# KiCad board Riptide.kicad_pcb
title: RipTide Keyboard; date: 2025-07-01; company: Logan Peterson
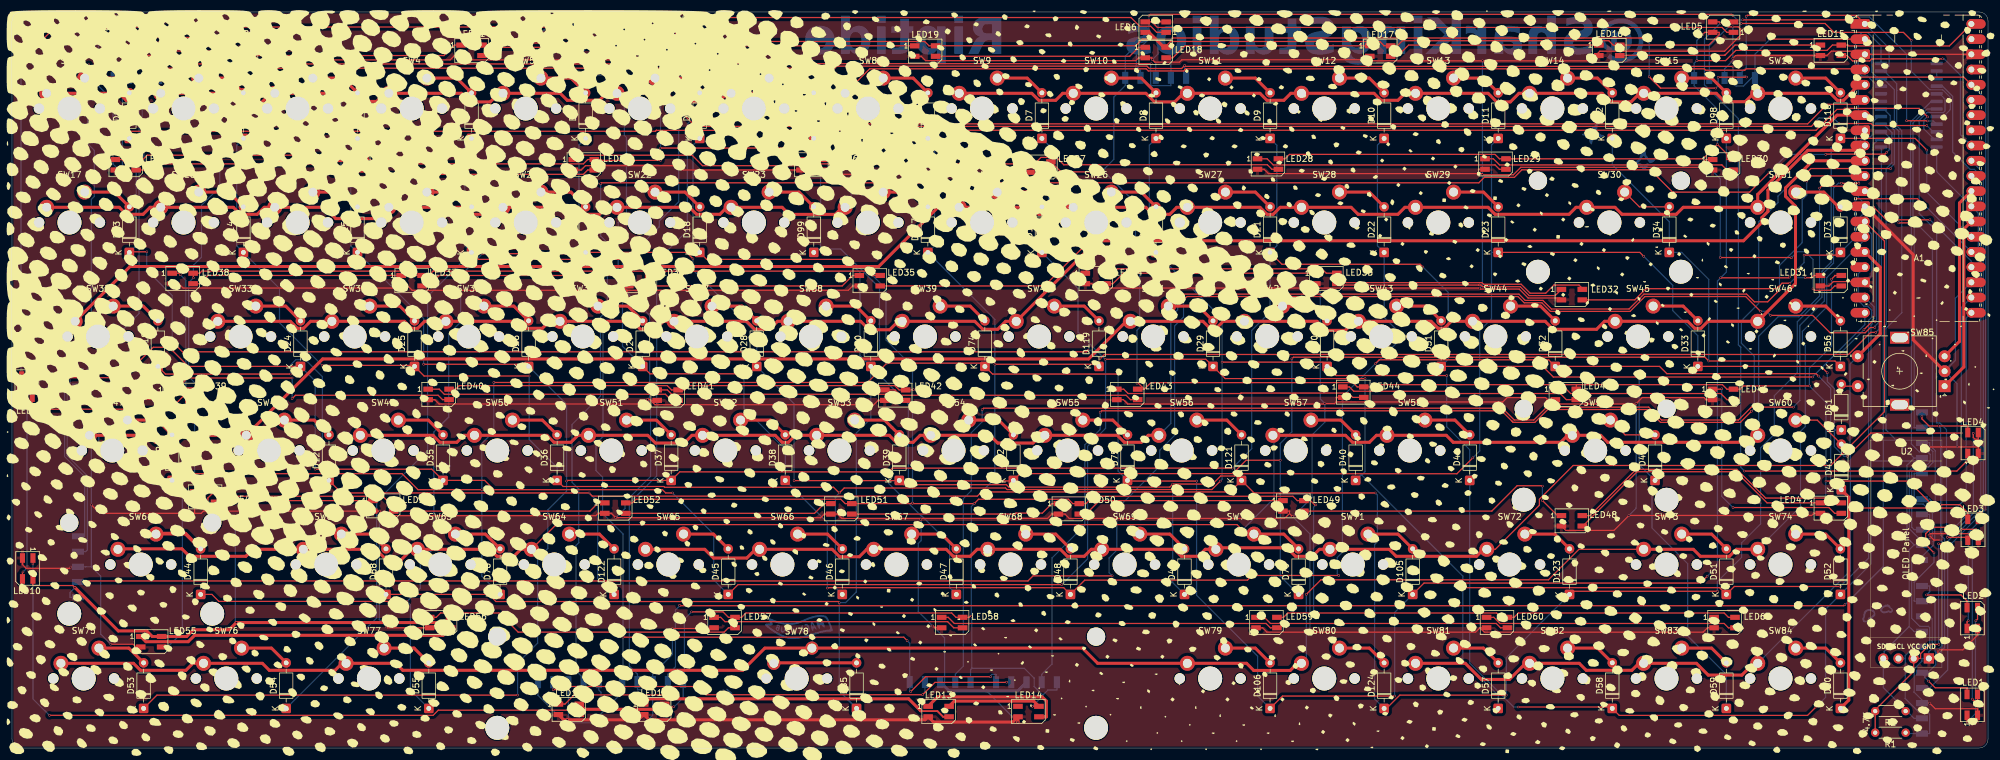
[diagram p0: board, top side]
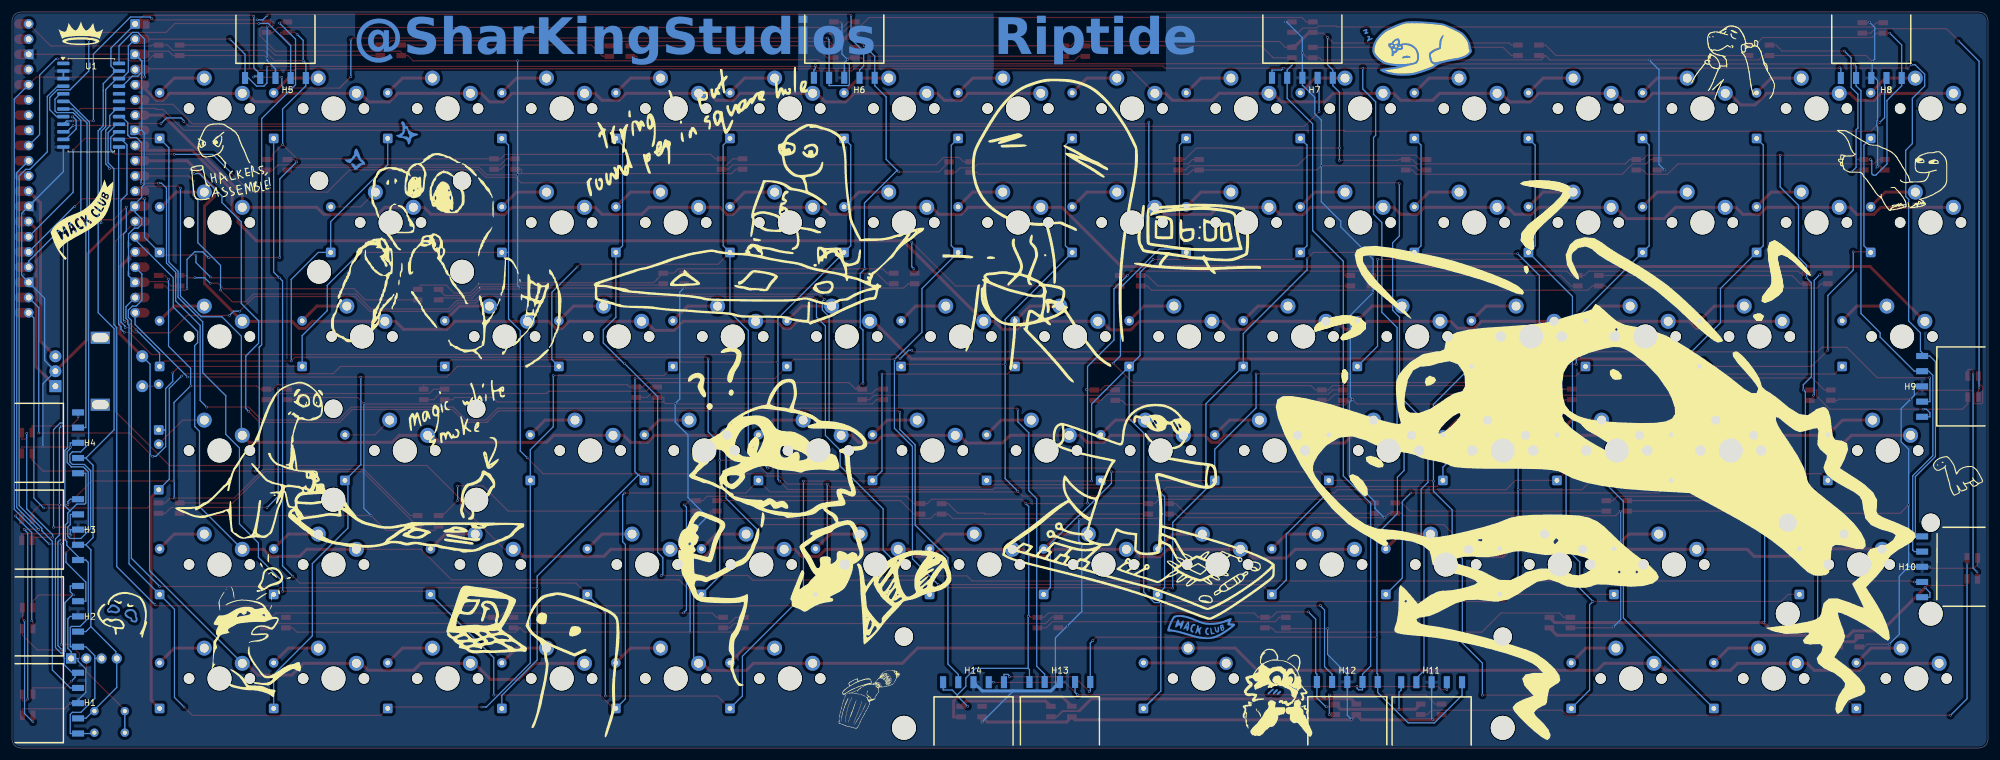
[diagram p1: board, bottom side, seen from below]

Outline 330 x 123 mm; copper layers: Top, Bottom. Coordinates in mm from the lower left corner of the outline.
Outline path: 0,121.5 0,1.5 arc(0.44,0.44) 1.5,0 328.5,0 arc(329.56,0.44) 330,1.5 330,121.5 arc(329.56,122.56) 328.5,123 1.5,123 arc(0.44,122.56) 0,121.5

## Placement (name value [footprint] x y rotation side)
A1  RaspberryPi_Pico  [RaspberryPi_Pico_Common_Unspecified]  318.32 96.87 0 top
D1  D  [D_DO-35_SOD27_P7.62mm_Horizontal]  19.6 101.87 90 top
D2  D  [D_DO-35_SOD27_P7.62mm_Horizontal]  38.65 101.87 90 top
D3  D  [D_DO-35_SOD27_P7.62mm_Horizontal]  57.7 101.87 90 top
D4  D  [D_DO-35_SOD27_P7.62mm_Horizontal]  76.75 101.87 90 top
D5  D  [D_DO-35_SOD27_P7.62mm_Horizontal]  95.8 101.87 90 top
D6  D  [D_DO-35_SOD27_P7.62mm_Horizontal]  114.85 101.87 90 top
D7  D  [D_DO-35_SOD27_P7.62mm_Horizontal]  172 101.87 90 top
D8  D  [D_DO-35_SOD27_P7.62mm_Horizontal]  191.05 101.87 90 top
D9  D  [D_DO-35_SOD27_P7.62mm_Horizontal]  210.1 101.87 90 top
D10  D  [D_DO-35_SOD27_P7.62mm_Horizontal]  229.15 101.87 90 top
D11  D  [D_DO-35_SOD27_P7.62mm_Horizontal]  248.2 101.87 90 top
D12  D  [D_DO-35_SOD27_P7.62mm_Horizontal]  267.25 101.87 90 top
D13  D  [D_DO-35_SOD27_P7.62mm_Horizontal]  19.6 82.82 90 top
D14  D  [D_DO-35_SOD27_P7.62mm_Horizontal]  38.65 82.82 90 top
D15  D  [D_DO-35_SOD27_P7.62mm_Horizontal]  57.7 82.82 90 top
D16  D  [D_DO-35_SOD27_P7.62mm_Horizontal]  76.75 82.82 90 top
D17  D  [D_DO-35_SOD27_P7.62mm_Horizontal]  95.8 82.82 90 top
D18  D  [D_DO-35_SOD27_P7.62mm_Horizontal]  114.85 82.82 90 top
D19  D  [D_DO-35_SOD27_P7.62mm_Horizontal]  172 82.82 90 top
D20  D  [D_DO-35_SOD27_P7.62mm_Horizontal]  191.05 82.82 90 top
D21  D  [D_DO-35_SOD27_P7.62mm_Horizontal]  210.1 82.82 90 top
D22  D  [D_DO-35_SOD27_P7.62mm_Horizontal]  229.15 82.82 90 top
D23  D  [D_DO-35_SOD27_P7.62mm_Horizontal]  248.2 82.82 90 top
D24  D  [D_DO-35_SOD27_P7.62mm_Horizontal]  48.17 63.77 90 top
D25  D  [D_DO-35_SOD27_P7.62mm_Horizontal]  67.22 63.77 90 top
D26  D  [D_DO-35_SOD27_P7.62mm_Horizontal]  86.28 63.77 90 top
D27  D  [D_DO-35_SOD27_P7.62mm_Horizontal]  105.32 63.77 90 top
D28  D  [D_DO-35_SOD27_P7.62mm_Horizontal]  124.38 63.77 90 top
D29  D  [D_DO-35_SOD27_P7.62mm_Horizontal]  200.57 63.77 90 top
D30  D  [D_DO-35_SOD27_P7.62mm_Horizontal]  219.62 63.77 90 top
D31  D  [D_DO-35_SOD27_P7.62mm_Horizontal]  238.68 63.77 90 top
D32  D  [D_DO-35_SOD27_P7.62mm_Horizontal]  257.73 63.77 90 top
D33  D  [D_DO-35_SOD27_P7.62mm_Horizontal]  281.54 63.77 90 top
D34  D  [D_DO-35_SOD27_P7.62mm_Horizontal]  276.77 82.82 90 top
D35  D  [D_DO-35_SOD27_P7.62mm_Horizontal]  71.99 44.72 90 top
D36  D  [D_DO-35_SOD27_P7.62mm_Horizontal]  91.04 44.72 90 top
D37  D  [D_DO-35_SOD27_P7.62mm_Horizontal]  110.09 44.72 90 top
D38  D  [D_DO-35_SOD27_P7.62mm_Horizontal]  129.14 44.72 90 top
D39  D  [D_DO-35_SOD27_P7.62mm_Horizontal]  148.19 44.72 90 top
D40  D  [D_DO-35_SOD27_P7.62mm_Horizontal]  224.39 44.72 90 top
D41  D  [D_DO-35_SOD27_P7.62mm_Horizontal]  243.44 44.72 90 top
D42  D  [D_DO-35_SOD27_P7.62mm_Horizontal]  274.39 44.72 90 top
D43  D  [D_DO-35_SOD27_P7.62mm_Horizontal]  305.5 43.16 90 top
D44  D  [D_DO-35_SOD27_P7.62mm_Horizontal]  31.51 25.67 90 top
D45  D  [D_DO-35_SOD27_P7.62mm_Horizontal]  119.61 25.67 90 top
D46  D  [D_DO-35_SOD27_P7.62mm_Horizontal]  138.66 25.67 90 top
D47  D  [D_DO-35_SOD27_P7.62mm_Horizontal]  157.71 25.67 90 top
D48  D  [D_DO-35_SOD27_P7.62mm_Horizontal]  176.76 25.67 90 top
D49  D  [D_DO-35_SOD27_P7.62mm_Horizontal]  195.81 25.67 90 top
D50  D  [D_DO-35_SOD27_P7.62mm_Horizontal]  143.43 63.77 90 top
D51  D  [D_DO-35_SOD27_P7.62mm_Horizontal]  286.3 25.67 90 top
D52  D  [D_DO-35_SOD27_P7.62mm_Horizontal]  305.35 25.67 90 top
D53  D  [D_DO-35_SOD27_P7.62mm_Horizontal]  21.98 6.62 90 top
D54  D  [D_DO-35_SOD27_P7.62mm_Horizontal]  45.79 6.62 90 top
D55  D  [D_DO-35_SOD27_P7.62mm_Horizontal]  69.61 6.62 90 top
D56  D  [D_DO-35_SOD27_P7.62mm_Horizontal]  305.35 63.77 90 top
D57  D  [D_DO-35_SOD27_P7.62mm_Horizontal]  248.2 6.62 90 top
D58  D  [D_DO-35_SOD27_P7.62mm_Horizontal]  267.25 6.62 90 top
D59  D  [D_DO-35_SOD27_P7.62mm_Horizontal]  286.3 6.62 90 top
D60  D  [D_DO-35_SOD27_P7.62mm_Horizontal]  305.35 6.62 90 top
D61  D  [D_DO-35_SOD27_P7.62mm_Horizontal]  305.5 53.16 90 top
D62  D  [D_DO-35_SOD27_P7.62mm_Horizontal]  167.24 44.72 90 top
D68  D  [D_DO-35_SOD27_P7.62mm_Horizontal]  62.46 25.67 90 top
D73  D  [D_DO-35_SOD27_P7.62mm_Horizontal]  305.35 82.82 90 top
D74  D  [D_DO-35_SOD27_P7.62mm_Horizontal]  162.47 63.77 90 top
D75  D  [D_DO-35_SOD27_P7.62mm_Horizontal]  186.29 44.72 90 top
D76  D  [D_DO-35_SOD27_P7.62mm_Horizontal]  81.51 25.67 90 top
D79  D  [D_DO-35_SOD27_P7.62mm_Horizontal]  214.86 25.67 90 top
D85  D  [D_DO-35_SOD27_P7.62mm_Horizontal]  141.04 6.62 90 top
D97  D  [D_DO-35_SOD27_P7.62mm_Horizontal]  133.9 101.87 90 top
D98  D  [D_DO-35_SOD27_P7.62mm_Horizontal]  286.3 101.87 90 top
D99  D  [D_DO-35_SOD27_P7.62mm_Horizontal]  133.9 82.82 90 top
D102  D  [D_DO-35_SOD27_P7.62mm_Horizontal]  26.74 44.72 90 top
D105  D  [D_DO-35_SOD27_P7.62mm_Horizontal]  233.91 25.67 90 top
D106  D  [D_DO-35_SOD27_P7.62mm_Horizontal]  210.1 6.62 90 top
D115  D  [D_DO-35_SOD27_P7.62mm_Horizontal]  152.95 101.87 90 top
D116  D  [D_DO-35_SOD27_P7.62mm_Horizontal]  305.35 101.87 90 top
D117  D  [D_DO-35_SOD27_P7.62mm_Horizontal]  152.95 82.82 90 top
D118  D  [D_DO-35_SOD27_P7.62mm_Horizontal]  24.36 63.77 90 top
D119  D  [D_DO-35_SOD27_P7.62mm_Horizontal]  181.53 63.77 90 top
D120  D  [D_DO-35_SOD27_P7.62mm_Horizontal]  52.94 44.72 90 top
D121  D  [D_DO-35_SOD27_P7.62mm_Horizontal]  205.34 44.72 90 top
D122  D  [D_DO-35_SOD27_P7.62mm_Horizontal]  100.56 25.67 90 top
D123  D  [D_DO-35_SOD27_P7.62mm_Horizontal]  260.11 25.67 90 top
D124  D  [D_DO-35_SOD27_P7.62mm_Horizontal]  229.15 6.62 90 top
G***  -  [LOGO]  169 17.97 0 top
G***#2  -  [LOGO]  15.5 96.47 180 bottom
G***#3  -  [LOGO]  42.5 114.47 180 bottom
G***#4  -  [LOGO]  196 38.47 270 bottom
G***#5  -  [LOGO]  148 86.97 180 bottom
G***#6  -  [LOGO]  317.75 88.86 125 bottom
G***#7  -  [LOGO]  311.5 22.47 200 bottom
G***#8  -  [LOGO]  318.5 119.47 180 bottom
G***#9  -  [LOGO]  187 8.47 180 bottom
G***#10  -  [LOGO]  95 117.47 180 bottom
G***#11  -  [LOGO]  273.5 47.47 180 bottom
G***#12  -  [LOGO]  257 84.47 180 bottom
G***#13  -  [LOGO]  240.36 12.32 200 bottom
G***#14  -  [LOGO]  293.5 97.97 180 bottom
G***#15  -  [LOGO]  289.5 20.47 180 bottom
G***#16  -  [LOGO]  142 37.97 180 bottom
G***#17  -  [LOGO]  119 9.47 180 bottom
G***#18  -  [LOGO]  65 48.47 180 bottom
G***#19  -  [LOGO]  206 92.47 180 bottom
G***#20  -  [LOGO]  5.45 46.08 150 bottom
H1  X6511FRS-05-C85D30  [HDR-SMD_5P-P2.54-H-F_X6511FRS-19-C85D30]  318.96 7.5 270 bottom
H2  X6511FRS-05-C85D30  [HDR-SMD_5P-P2.54-H-F_X6511FRS-19-C85D30]  318.96 22 270 bottom
H3  X6511FRS-05-C85D30  [HDR-SMD_5P-P2.54-H-F_X6511FRS-19-C85D30]  318.96 36.5 270 bottom
H4  X6511FRS-05-C85D30  [HDR-SMD_5P-P2.54-H-F_X6511FRS-19-C85D30]  318.96 51 270 bottom
H5  X6511FRS-05-C85D30  [HDR-SMD_5P-P2.54-H-F_X6511FRS-19-C85D30]  286 111.96 0 bottom
H6  X6511FRS-05-C85D30  [HDR-SMD_5P-P2.54-H-F_X6511FRS-19-C85D30]  191 112 0 bottom
H7  X6511FRS-05-C85D30  [HDR-SMD_5P-P2.54-H-F_X6511FRS-19-C85D30]  114.5 112 0 bottom
H8  X6511FRS-05-C85D30  [HDR-SMD_5P-P2.54-H-F_X6511FRS-19-C85D30]  19.5 111.96 0 bottom
H9  X6511FRS-05-C85D30  [HDR-SMD_5P-P2.54-H-F_X6511FRS-19-C85D30]  11.01 60.43 90 bottom
H10  X6511FRS-05-C85D30  [HDR-SMD_5P-P2.54-H-F_X6511FRS-19-C85D30]  11.01 30.29 90 bottom
H11  X6511FRS-05-C85D30  [HDR-SMD_5P-P2.54-H-F_X6511FRS-19-C85D30]  92.92 11 180 bottom
H12  X6511FRS-05-C85D30  [HDR-SMD_5P-P2.54-H-F_X6511FRS-19-C85D30]  107 11.04 180 bottom
H13  X6511FRS-05-C85D30  [HDR-SMD_5P-P2.54-H-F_X6511FRS-19-C85D30]  155 11.04 180 bottom
H14  X6511FRS-05-C85D30  [HDR-SMD_5P-P2.54-H-F_X6511FRS-19-C85D30]  169.42 11 180 bottom
LED1  SK6812MINI  [LED_SK6812MINI_PLCC4_3.5x3.5mm_P1.75mm]  327.38 7.22 90 top
LED2  SK6812MINI  [LED_SK6812MINI_PLCC4_3.5x3.5mm_P1.75mm]  327.38 21.72 90 top
LED3  SK6812MINI  [LED_SK6812MINI_PLCC4_3.5x3.5mm_P1.75mm]  327.5 36.47 90 top
LED4  SK6812MINI  [LED_SK6812MINI_PLCC4_3.5x3.5mm_P1.75mm]  327.5 50.97 90 top
LED5  SK6812MINI  [LED_SK6812MINI_PLCC4_3.5x3.5mm_P1.75mm]  285.75 120.47 180 top
LED6  SK6812MINI  [LED_SK6812MINI_PLCC4_3.5x3.5mm_P1.75mm]  191 120.47 180 top
LED7  SK6812MINI  [LED_SK6812MINI_PLCC4_3.5x3.5mm_P1.75mm]  114.5 120.47 180 top
LED8  SK6812MINI  [LED_SK6812MINI_PLCC4_3.5x3.5mm_P1.75mm]  19.25 120.34 180 top
LED9  SK6812MINI  [LED_SK6812MINI_PLCC4_3.5x3.5mm_P1.75mm]  2.5 60.39 270 top
LED10  SK6812MINI  [LED_SK6812MINI_PLCC4_3.5x3.5mm_P1.75mm]  2.62 30 270 top
LED11  SK6812MINI  [LED_SK6812MINI_PLCC4_3.5x3.5mm_P1.75mm]  93 6.47 0 top
LED12  SK6812MINI  [LED_SK6812MINI_PLCC4_3.5x3.5mm_P1.75mm]  107.25 6.47 0 top
LED13  SK6812MINI  [LED_SK6812MINI_PLCC4_3.5x3.5mm_P1.75mm]  154.75 6.09 0 top
LED14  SK6812MINI  [LED_SK6812MINI_PLCC4_3.5x3.5mm_P1.75mm]  169.75 6.09 0 top
LED15  SK6812MINI  [LED_SK6812MINI_PLCC4_3.5x3.5mm_P1.75mm]  303.75 116.59 0 top
LED16  SK6812MINI  [LED_SK6812MINI_PLCC4_3.5x3.5mm_P1.75mm]  266.75 116.59 0 top
LED17  SK6812MINI  [LED_SK6812MINI_PLCC4_3.5x3.5mm_P1.75mm]  228.5 116.47 0 top
LED18  SK6812MINI  [LED_SK6812MINI_PLCC4_3.5x3.5mm_P1.75mm]  191 116.22 0 top
LED19  SK6812MINI  [LED_SK6812MINI_PLCC4_3.5x3.5mm_P1.75mm]  152.5 116.47 0 top
LED20  SK6812MINI  [LED_SK6812MINI_PLCC4_3.5x3.5mm_P1.75mm]  114.5 116.22 0 top
LED21  SK6812MINI  [LED_SK6812MINI_PLCC4_3.5x3.5mm_P1.75mm]  76.75 116.59 0 top
LED22  SK6812MINI  [LED_SK6812MINI_PLCC4_3.5x3.5mm_P1.75mm]  38.25 116.59 0 top
LED23  SK6812MINI  [LED_SK6812MINI_PLCC4_3.5x3.5mm_P1.75mm]  19 97.47 0 top
LED24  SK6812MINI  [LED_SK6812MINI_PLCC4_3.5x3.5mm_P1.75mm]  57 97.47 0 top
LED25  SK6812MINI  [LED_SK6812MINI_PLCC4_3.5x3.5mm_P1.75mm]  95.5 97.47 0 top
LED26  SK6812MINI  [LED_SK6812MINI_PLCC4_3.5x3.5mm_P1.75mm]  133.5 97.47 0 top
LED27  SK6812MINI  [LED_SK6812MINI_PLCC4_3.5x3.5mm_P1.75mm]  171.75 97.09 0 top
LED28  SK6812MINI  [LED_SK6812MINI_PLCC4_3.5x3.5mm_P1.75mm]  209.75 97.59 0 top
LED29  SK6812MINI  [LED_SK6812MINI_PLCC4_3.5x3.5mm_P1.75mm]  247.75 97.59 0 top
LED30  SK6812MINI  [LED_SK6812MINI_PLCC4_3.5x3.5mm_P1.75mm]  285.75 97.47 0 top
LED31  SK6812MINI  [LED_SK6812MINI_PLCC4_3.5x3.5mm_P1.75mm]  303.75 78.09 0 top
LED32  SK6812MINI  [LED_SK6812MINI_PLCC4_3.5x3.5mm_P1.75mm]  260.5 75.77 0 top
LED33  SK6812MINI  [LED_SK6812MINI_PLCC4_3.5x3.5mm_P1.75mm]  219.5 78.47 0 top
LED34  SK6812MINI  [LED_SK6812MINI_PLCC4_3.5x3.5mm_P1.75mm]  181 78.47 0 top
LED35  SK6812MINI  [LED_SK6812MINI_PLCC4_3.5x3.5mm_P1.75mm]  143.25 78.09 0 top
LED36  SK6812MINI  [LED_SK6812MINI_PLCC4_3.5x3.5mm_P1.75mm]  104.75 78.09 0 top
LED37  SK6812MINI  [LED_SK6812MINI_PLCC4_3.5x3.5mm_P1.75mm]  66.75 78.09 0 top
LED38  SK6812MINI  [LED_SK6812MINI_PLCC4_3.5x3.5mm_P1.75mm]  28.5 78.47 0 top
LED39  SK6812MINI  [LED_SK6812MINI_PLCC4_3.5x3.5mm_P1.75mm]  28 58.97 0 top
LED40  SK6812MINI  [LED_SK6812MINI_PLCC4_3.5x3.5mm_P1.75mm]  71.25 59.09 0 top
LED41  SK6812MINI  [LED_SK6812MINI_PLCC4_3.5x3.5mm_P1.75mm]  109.5 58.97 0 top
LED42  SK6812MINI  [LED_SK6812MINI_PLCC4_3.5x3.5mm_P1.75mm]  147.5 58.97 0 top
LED43  SK6812MINI  [LED_SK6812MINI_PLCC4_3.5x3.5mm_P1.75mm]  186.25 59.09 0 top
LED44  SK6812MINI  [LED_SK6812MINI_PLCC4_3.5x3.5mm_P1.75mm]  224 59.47 0 top
LED45  SK6812MINI  [LED_SK6812MINI_PLCC4_3.5x3.5mm_P1.75mm]  259.5 59.09 0 top
LED46  SK6812MINI  [LED_SK6812MINI_PLCC4_3.5x3.5mm_P1.75mm]  285.75 59.09 0 top
LED47  SK6812MINI  [LED_SK6812MINI_PLCC4_3.5x3.5mm_P1.75mm]  303.75 40.09 0 top
LED48  SK6812MINI  [LED_SK6812MINI_PLCC4_3.5x3.5mm_P1.75mm]  260.5 37.97 0 top
LED49  SK6812MINI  [LED_SK6812MINI_PLCC4_3.5x3.5mm_P1.75mm]  214 40.47 0 top
LED50  SK6812MINI  [LED_SK6812MINI_PLCC4_3.5x3.5mm_P1.75mm]  176.5 39.97 0 top
LED51  SK6812MINI  [LED_SK6812MINI_PLCC4_3.5x3.5mm_P1.75mm]  138.5 39.97 0 top
LED52  SK6812MINI  [LED_SK6812MINI_PLCC4_3.5x3.5mm_P1.75mm]  100.75 40.09 0 top
LED53  SK6812MINI  [LED_SK6812MINI_PLCC4_3.5x3.5mm_P1.75mm]  62 40.47 0 top
LED54  SK6812MINI  [LED_SK6812MINI_PLCC4_3.5x3.5mm_P1.75mm]  32.25 41.97 0 top
LED55  SK6812MINI  [LED_SK6812MINI_PLCC4_3.5x3.5mm_P1.75mm]  23.25 17.77 0 top
LED56  SK6812MINI  [LED_SK6812MINI_PLCC4_3.5x3.5mm_P1.75mm]  71.5 20.97 0 top
LED57  SK6812MINI  [LED_SK6812MINI_PLCC4_3.5x3.5mm_P1.75mm]  119 20.97 0 top
LED58  SK6812MINI  [LED_SK6812MINI_PLCC4_3.5x3.5mm_P1.75mm]  157 20.97 0 top
LED59  SK6812MINI  [LED_SK6812MINI_PLCC4_3.5x3.5mm_P1.75mm]  209.5 20.97 0 top
LED60  SK6812MINI  [LED_SK6812MINI_PLCC4_3.5x3.5mm_P1.75mm]  248 20.97 0 top
LED61  SK6812MINI  [LED_SK6812MINI_PLCC4_3.5x3.5mm_P1.75mm]  286 20.97 0 top
R1  4.7K  [R_Axial_DIN0204_L3.6mm_D1.6mm_P5.08mm_Horizontal]  316.24 2.57 180 top
R2  4.7K  [R_Axial_DIN0204_L3.6mm_D1.6mm_P5.08mm_Horizontal]  316.24 6.17 180 top
SW1  SW_Push  [SW_Cherry_MX_PCB_1.00u]  9.6 106.87 0 top
SW2  SW_Push  [SW_Cherry_MX_PCB_1.00u]  28.65 106.87 0 top
SW3  SW_Push  [SW_Cherry_MX_PCB_1.00u]  47.7 106.87 0 top
SW4  SW_Push  [SW_Cherry_MX_PCB_1.00u]  66.75 106.87 0 top
SW5  SW_Push  [SW_Cherry_MX_PCB_1.00u]  85.8 106.87 0 top
SW6  SW_Push  [SW_Cherry_MX_PCB_1.00u]  104.85 106.87 0 top
SW7  SW_Push  [SW_Cherry_MX_PCB_1.00u]  123.9 106.87 0 top
SW8  SW_Push  [SW_Cherry_MX_PCB_1.00u]  142.95 106.87 0 top
SW9  SW_Push  [SW_Cherry_MX_PCB_1.00u]  162 106.87 0 top
SW10  SW_Push  [SW_Cherry_MX_PCB_1.00u]  181.05 106.87 0 top
SW11  SW_Push  [SW_Cherry_MX_PCB_1.00u]  200.1 106.87 0 top
SW12  SW_Push  [SW_Cherry_MX_PCB_1.00u]  219.15 106.87 0 top
SW13  SW_Push  [SW_Cherry_MX_PCB_1.00u]  238.2 106.87 0 top
SW14  SW_Push  [SW_Cherry_MX_PCB_1.00u]  257.25 106.87 0 top
SW15  SW_Push  [SW_Cherry_MX_PCB_1.00u]  276.3 106.87 0 top
SW16  SW_Push  [SW_Cherry_MX_PCB_1.00u]  295.35 106.87 0 top
SW17  SW_Push  [SW_Cherry_MX_PCB_1.00u]  9.6 87.82 0 top
SW18  SW_Push  [SW_Cherry_MX_PCB_1.00u]  28.65 87.82 0 top
SW19  SW_Push  [SW_Cherry_MX_PCB_1.00u]  47.7 87.82 0 top
SW20  SW_Push  [SW_Cherry_MX_PCB_1.00u]  66.75 87.82 0 top
SW21  SW_Push  [SW_Cherry_MX_PCB_1.00u]  85.8 87.82 0 top
SW22  SW_Push  [SW_Cherry_MX_PCB_1.00u]  104.85 87.82 0 top
SW23  SW_Push  [SW_Cherry_MX_PCB_1.00u]  123.9 87.82 0 top
SW24  SW_Push  [SW_Cherry_MX_PCB_1.00u]  142.95 87.82 0 top
SW25  SW_Push  [SW_Cherry_MX_PCB_1.00u]  162 87.82 0 top
SW26  SW_Push  [SW_Cherry_MX_PCB_1.00u]  181.05 87.82 0 top
SW27  SW_Push  [SW_Cherry_MX_PCB_1.00u]  200.1 87.82 0 top
SW28  SW_Push  [SW_Cherry_MX_PCB_1.00u]  219.15 87.82 0 top
SW29  SW_Push  [SW_Cherry_MX_PCB_1.00u]  238.2 87.82 0 top
SW30  SW_Push  [SW_Cherry_MX_PCB_2.00u]  266.77 87.82 0 top
SW31  SW_Push  [SW_Cherry_MX_PCB_1.00u]  295.35 87.82 0 top
SW32  SW_Push  [SW_Cherry_MX_PCB_1.50u]  14.36 68.77 0 top
SW33  SW_Push  [SW_Cherry_MX_PCB_1.00u]  38.17 68.77 0 top
SW34  SW_Push  [SW_Cherry_MX_PCB_1.00u]  57.22 68.77 0 top
SW35  SW_Push  [SW_Cherry_MX_PCB_1.00u]  76.28 68.77 0 top
SW36  SW_Push  [SW_Cherry_MX_PCB_1.00u]  95.33 68.77 0 top
SW37  SW_Push  [SW_Cherry_MX_PCB_1.00u]  114.38 68.77 0 top
SW38  SW_Push  [SW_Cherry_MX_PCB_1.00u]  133.43 68.77 0 top
SW39  SW_Push  [SW_Cherry_MX_PCB_1.00u]  152.47 68.77 0 top
SW40  SW_Push  [SW_Cherry_MX_PCB_1.00u]  171.53 68.77 0 top
SW41  SW_Push  [SW_Cherry_MX_PCB_1.00u]  190.57 68.77 0 top
SW42  SW_Push  [SW_Cherry_MX_PCB_1.00u]  209.62 68.77 0 top
SW43  SW_Push  [SW_Cherry_MX_PCB_1.00u]  228.68 68.77 0 top
SW44  SW_Push  [SW_Cherry_MX_PCB_1.00u]  247.73 68.77 0 top
SW45  SW_Push  [SW_Cherry_MX_PCB_1.50u]  271.54 68.77 0 top
SW46  SW_Push  [SW_Cherry_MX_PCB_1.00u]  295.35 68.77 0 top
SW47  SW_Push  [SW_Cherry_MX_PCB_1.75u]  16.74 49.72 0 top
SW48  SW_Push  [SW_Cherry_MX_PCB_1.00u]  42.94 49.72 0 top
SW49  SW_Push  [SW_Cherry_MX_PCB_1.00u]  61.99 49.72 0 top
SW50  SW_Push  [SW_Cherry_MX_PCB_1.00u]  81.04 49.72 0 top
SW51  SW_Push  [SW_Cherry_MX_PCB_1.00u]  100.09 49.72 0 top
SW52  SW_Push  [SW_Cherry_MX_PCB_1.00u]  119.14 49.72 0 top
SW53  SW_Push  [SW_Cherry_MX_PCB_1.00u]  138.19 49.72 0 top
SW54  SW_Push  [SW_Cherry_MX_PCB_1.00u]  157.24 49.72 0 top
SW55  SW_Push  [SW_Cherry_MX_PCB_1.00u]  176.29 49.72 0 top
SW56  SW_Push  [SW_Cherry_MX_PCB_1.00u]  195.34 49.72 0 top
SW57  SW_Push  [SW_Cherry_MX_PCB_1.00u]  214.39 49.72 0 top
SW58  SW_Push  [SW_Cherry_MX_PCB_1.00u]  233.44 49.72 0 top
SW59  SW_Push  [SW_Cherry_MX_PCB_2.25u]  264.39 49.72 0 top
SW60  SW_Push  [SW_Cherry_MX_PCB_1.00u]  295.35 49.72 0 top
SW61  SW_Push  [SW_Cherry_MX_PCB_2.25u]  21.51 30.67 0 top
SW62  SW_Push  [SW_Cherry_MX_PCB_1.00u]  52.46 30.67 0 top
SW63  SW_Push  [SW_Cherry_MX_PCB_1.00u]  71.51 30.67 0 top
SW64  SW_Push  [SW_Cherry_MX_PCB_1.00u]  90.56 30.67 0 top
SW65  SW_Push  [SW_Cherry_MX_PCB_1.00u]  109.61 30.67 0 top
SW66  SW_Push  [SW_Cherry_MX_PCB_1.00u]  128.66 30.67 0 top
SW67  SW_Push  [SW_Cherry_MX_PCB_1.00u]  147.71 30.67 0 top
SW68  SW_Push  [SW_Cherry_MX_PCB_1.00u]  166.76 30.67 0 top
SW69  SW_Push  [SW_Cherry_MX_PCB_1.00u]  185.81 30.67 0 top
SW70  SW_Push  [SW_Cherry_MX_PCB_1.00u]  204.86 30.67 0 top
SW71  SW_Push  [SW_Cherry_MX_PCB_1.00u]  223.91 30.67 0 top
SW72  SW_Push  [SW_Cherry_MX_PCB_1.75u]  250.11 30.67 0 top
SW73  SW_Push  [SW_Cherry_MX_PCB_1.00u]  276.3 30.67 0 top
SW74  SW_Push  [SW_Cherry_MX_PCB_1.00u]  295.35 30.67 0 top
SW75  SW_Push  [SW_Cherry_MX_PCB_1.25u]  11.98 11.62 0 top
SW76  SW_Push  [SW_Cherry_MX_PCB_1.25u]  35.79 11.62 0 top
SW77  SW_Push  [SW_Cherry_MX_PCB_1.25u]  59.61 11.62 0 top
SW78  SW_Push  [SW_Cherry_MX_6.25u_PCB]  131.04 11.62 0 top
SW79  SW_Push  [SW_Cherry_MX_PCB_1.00u]  200.1 11.62 0 top
SW80  SW_Push  [SW_Cherry_MX_PCB_1.00u]  219.15 11.62 0 top
SW81  SW_Push  [SW_Cherry_MX_PCB_1.00u]  238.2 11.62 0 top
SW82  SW_Push  [SW_Cherry_MX_PCB_1.00u]  257.25 11.62 0 top
SW83  SW_Push  [SW_Cherry_MX_PCB_1.00u]  276.3 11.62 0 top
SW84  SW_Push  [SW_Cherry_MX_PCB_1.00u]  295.35 11.62 0 top
SW85  RotaryEncoder_Switch  [RotaryEncoder_Alps_EC11E-Switch_Vertical_H20mm]  322.75 60.47 180 top
U1  PCA9555D  [SOIC-24W_7.5x15.4mm_P1.27mm]  316.77 107.42 180 bottom
U2  ~  [SSD1306-0.91-OLED-4pin-128x32]  322.31 51.47 270 top

## Library data of the parts
A1 = -: Datasheet: https://datasheets.raspberrypi.com/pico/pico-datasheet.pdf; Description: Versatile and inexpensive microcontroller module powered by RP2040 dual-core Arm Cortex-M0+ processor up to 133 MHz, 264kB SRAM, 2MB QSPI flash; also supports Raspberry Pi Pico 2; ki_fp_filters: RaspberryPi?Pico?Common* RaspberryPi?Pico?SMD*
D1-D62 D68 D73-D76 D79 D85 D97-D99 D102 D105 D106 D115-D124 = -: Description: Diode; Sim.Pins: 1=K 2=A; ki_fp_filters: TO-???* *_Diode_* *SingleDiode* D_*
H1-H14 = -: LCSC Part: C5142238
LED1-LED61 = -: Datasheet: https://cdn-shop.adafruit.com/product-files/2686/SK6812MINI_REV.01-1-2.pdf; Description: RGB LED with integrated controller; ki_fp_filters: LED*SK6812MINI*PLCC*3.5x3.5mm*P1.75mm*
R1 R2 = -: Description: Resistor; ki_fp_filters: R_*
SW1-SW84 = -: Description: Push button switch, normally open, two pins, 45° tilted
SW85 = -: Description: Rotary encoder, dual channel, incremental quadrate outputs, with switch; ki_fp_filters: RotaryEncoder*Switch*
U1 = -: Datasheet: https://www.nxp.com/docs/en/data-sheet/PCA9555.pdf; Description: IO expander 16 GPIO, I2C 400kHz, Interrupt, 2.3 - 5.5V, SOIC-24; ki_fp_filters: SOIC*7.5x15.4mm*P1.27mm*

## Footprints (pads in the part's own frame, mm; a bottom-side part is the same pattern mirrored in y, then rotated)
D_DO-35_SOD27_P7.62mm_Horizontal
  rrect 1.6x1.6 hole 0.8: 1(0,0)
  round 1.6 hole 0.8: 2(7.62,0)
HDR-SMD_5P-P2.54-H-F_X6511FRS-19-C85D30
  rect 1.02x2 smd: 1(-5.08,0) 2(-2.54,0) 3(0,0) 4(2.54,0) 5(5.08,0)
LED_SK6812MINI_PLCC4_3.5x3.5mm_P1.75mm
  rect 1.6x0.85 smd: 1(-1.75,0.875) 2(-1.75,-0.875) 3(1.75,-0.875) 4(1.75,0.875)
R_Axial_DIN0204_L3.6mm_D1.6mm_P5.08mm_Horizontal
  round 1.4 hole 0.7: 1(0,0) 2(5.08,0)
RaspberryPi_Pico_Common_Unspecified
  custom 3.2x1.6 smd: 1(-9.69,24.13) 3(-9.69,19.05) 8(-9.69,6.35) 13(-9.69,-6.35) 18(-9.69,-19.05) 23(9.69,-19.05) 28(9.69,-6.35) 33(9.69,6.35) 38(9.69,19.05)
  rrect 1.6x1.6 hole 1: 1(-8.89,24.13)
  rrect 3.2x1.6 smd: 2(-9.69,21.59) 4(-9.69,16.51) 5(-9.69,13.97) 6(-9.69,11.43) 7(-9.69,8.89) 9(-9.69,3.81) 10(-9.69,1.27) 11(-9.69,-1.27) 12(-9.69,-3.81) 14(-9.69,-8.89) 15(-9.69,-11.43) 16(-9.69,-13.97) 17(-9.69,-16.51) 19(-9.69,-21.59) 20(-9.69,-24.13) 21(9.69,-24.13) 22(9.69,-21.59) 24(9.69,-16.51) 25(9.69,-13.97) 26(9.69,-11.43) 27(9.69,-8.89) 29(9.69,-3.81) 30(9.69,-1.27) 31(9.69,1.27) 32(9.69,3.81) 34(9.69,8.89) 35(9.69,11.43) 36(9.69,13.97) 37(9.69,16.51) 39(9.69,21.59) 40(9.69,24.13)
  round 1.6 hole 1: 2(-8.89,21.59) 4(-8.89,16.51) 5(-8.89,13.97) 6(-8.89,11.43) 7(-8.89,8.89) 9(-8.89,3.81) 10(-8.89,1.27) 11(-8.89,-1.27) 12(-8.89,-3.81) 14(-8.89,-8.89) 15(-8.89,-11.43) 16(-8.89,-13.97) 17(-8.89,-16.51) 19(-8.89,-21.59) 20(-8.89,-24.13) 21(8.89,-24.13) 22(8.89,-21.59) 24(8.89,-16.51) 25(8.89,-13.97) 26(8.89,-11.43) 27(8.89,-8.89) 29(8.89,-3.81) 30(8.89,-1.27) 31(8.89,1.27) 32(8.89,3.81) 34(8.89,8.89) 35(8.89,11.43) 36(8.89,13.97) 37(8.89,16.51) 39(8.89,21.59) 40(8.89,24.13)
  custom 1.6x1.6 hole 1: 3(-8.89,19.05) 8(-8.89,6.35) 13(-8.89,-6.35) 18(-8.89,-19.05) 23(8.89,-19.05) 28(8.89,-6.35) 33(8.89,6.35) 38(8.89,19.05)
RotaryEncoder_Alps_EC11E-Switch_Vertical_H20mm
  rect 2x2 hole 1: A(0,0)
  round 2 hole 1: B(0,-5) C(0,-2.5) S1(14.5,-5) S2(14.5,0)
  rect 3.2x2 hole 2.8x1.5: MP(7.5,3.1) MP(7.5,-8.1)
SOIC-24W_7.5x15.4mm_P1.27mm
  rrect 2.05x0.6 smd: 1(-4.65,6.985) 2(-4.65,5.715) 3(-4.65,4.445) 4(-4.65,3.175) 5(-4.65,1.905) 6(-4.65,0.635) 7(-4.65,-0.635) 8(-4.65,-1.905) 9(-4.65,-3.175) 10(-4.65,-4.445) 11(-4.65,-5.715) 12(-4.65,-6.985) 13(4.65,-6.985) 14(4.65,-5.715) 15(4.65,-4.445) 16(4.65,-3.175) 17(4.65,-1.905) 18(4.65,-0.635) 19(4.65,0.635) 20(4.65,1.905) 21(4.65,3.175) 22(4.65,4.445) 23(4.65,5.715) 24(4.65,6.985)
SSD1306-0.91-OLED-4pin-128x32
  rect 1.7x1.7 hole 1: 1(36.5,-2.19)
  oval 1.7x1.7 hole 1: 2(36.5,-4.73) 3(36.5,-7.27) 4(36.5,-9.81)
SW_Cherry_MX_6.25u_PCB
  round 3.05 hole 3.05 unplated: (-50,7) (50,7)
  round 4 hole 4 unplated: (-50,-8.24) (0,0) (50,-8.24)
  round 1.7 hole 1.7 unplated: (-5.08,0) (5.08,0)